# Altium PCB CableNodeRevF Export in PCB ASCII Format.PcbDoc (part 2 of 4)
Units mil, origin at the board's own origin, x right, y up, seen from the top; angles counter-clockwise.
Board outline 3393.33 x 4682.75 mil, 4 copper layers (Top Layer, Internal Plane 1, Internal Plane 2, Bottom Layer); 163 components, 86 nets, 408 pads, 182 vias.
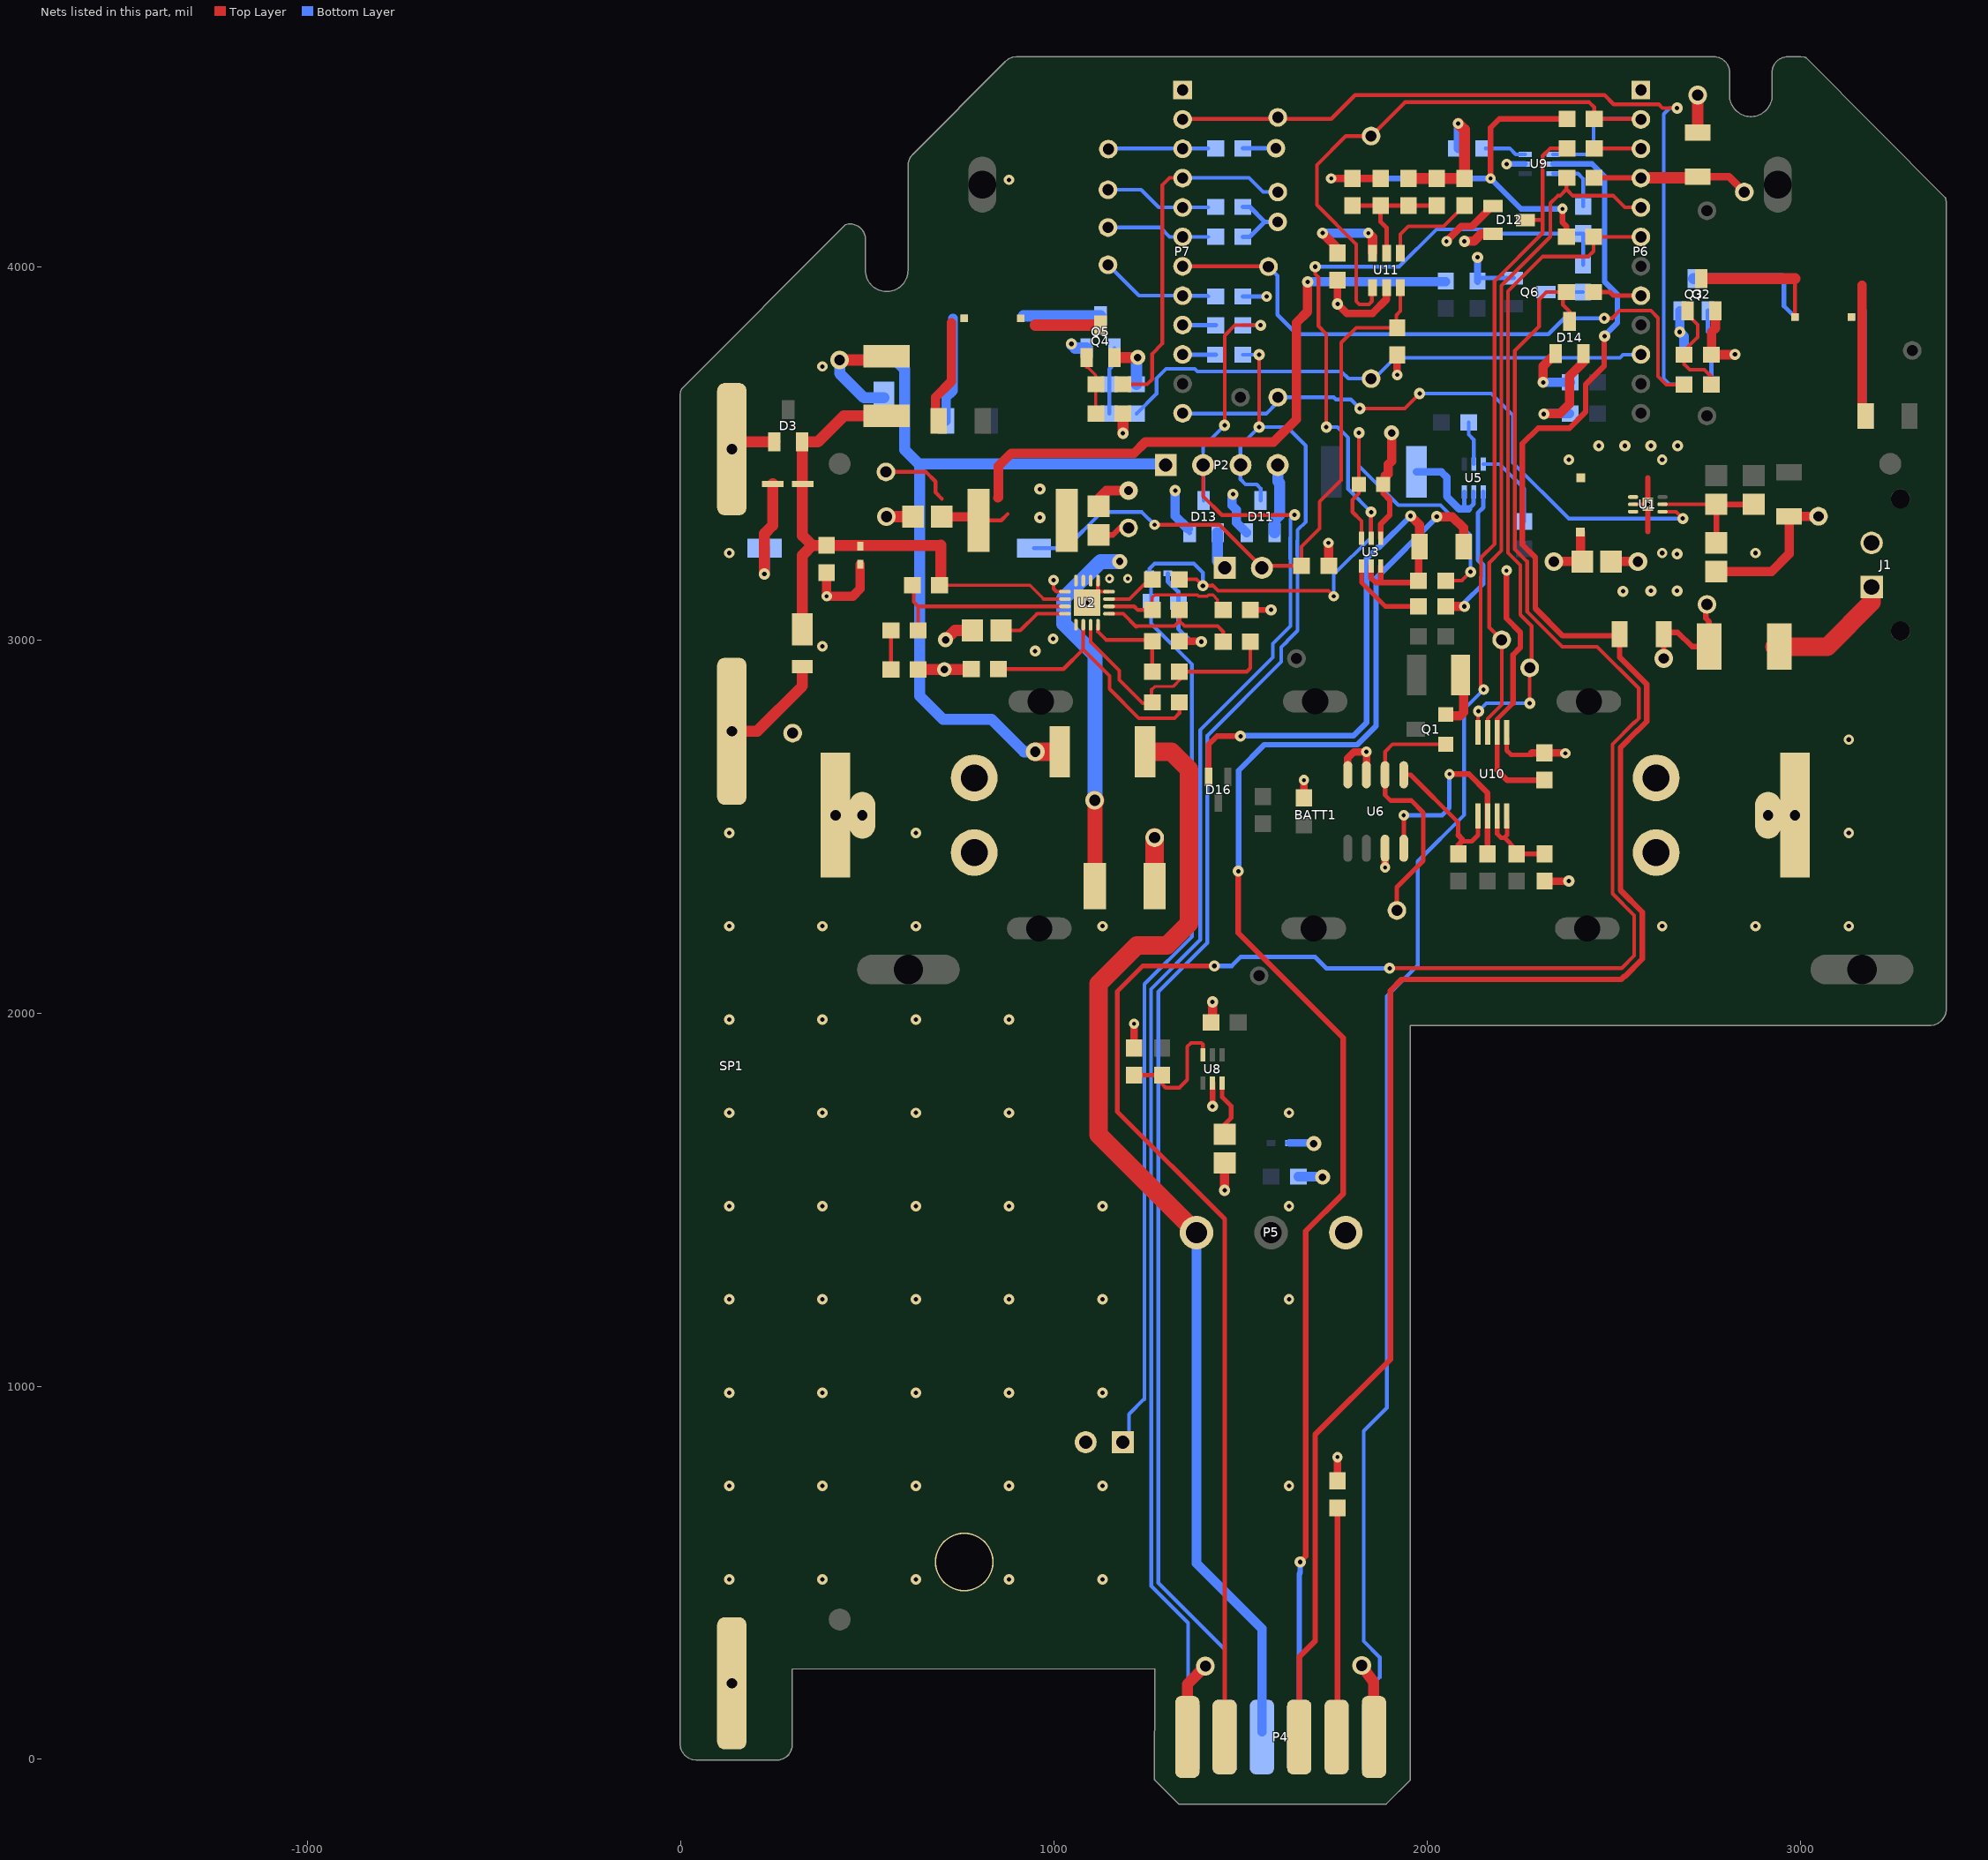
[diagram p4: the nets of this part, all layers, seen from the top]

## Via types
v1: diameter 30, hole 12, Top Layer to Bottom Layer, tented both sides, 65 vias
v2: diameter 28, hole 12, Top Layer to Bottom Layer, tented both sides, 60 vias
v3: diameter 28, hole 11, Top Layer to Bottom Layer, tented both sides, 27 vias
v4: diameter 50, hole 28, Top Layer to Bottom Layer, 10 vias
v5: diameter 40, hole 20, Top Layer to Bottom Layer, tented both sides, 9 vias
v6: diameter 50, hole 30, Top Layer to Bottom Layer, 5 vias
v7: diameter 24, hole 11, Top Layer to Bottom Layer, tented both sides, 2 vias
v8: diameter 50, hole 20, Top Layer to Bottom Layer, tented both sides, 1 vias
v9: diameter 50, hole 30, Top Layer to Bottom Layer, tented both sides, 1 vias
v10: diameter 50, hole 24, Top Layer to Bottom Layer, 1 vias
v11: diameter 28, hole 11, Top Layer to Bottom Layer, 1 vias

## Nets (pads, with @x,y where several pads share a name; then routed paths per layer and width w, separated by ;. In a path a pad name is that pad's centre, name@x,y a point inside that pad or via, vN(x,y) a via of type N, cw(c..) or ccw(c..) an arc to the next point about the centre after c; other vN are vias at no path point) (continued)
GND: BATT1.5 BATT1.6 BATT1.7 BATT1.8 C2.1 C3.1 C4.1 C5.1 C6.1 C8.1 C9.1 C10.1 C11.2 C20.1 C50.1 C51.1 C53.1 C54.1 D2.1 D5.1 D6.2 D8.1 D9.2 D10.1 D11.1 D12.1 D13.1 D14.1 D15.2 J1.2 MH3.1 P1.2 P2.4 P3.1 P4.2 P4.12 P5.3 P6.1 P7.1 pad.0@3048.7,3330.94 Q2.2 Q3.2 Q4.2 Q5.2 Q6.2 R3.2 R7.2 R10.2 R11.2 R12.2 R19.2 R23.2 R24.2 R31.2 R34.2 R37.1 R38.1 R39.2 R44.1 R50.2 R51.2 R52.2 R53.2 R60.2 R65.1 R67.2 SP1.1 SW1.1 TP18.1 U1.2 U1.7 U2.1 U2.5 U2.12 U2.13 U2.17 U5.1 U6.3 U6.7 U6.8 U8.2 U9.2 U10.1 U11.2 | length 6311
  Top Layer w10: v3(998.98,3160.01) 998.98,3137.02 1006.96,3129.04 U2.1@1029.62,3129.04 ; v3(1088.68,3099.51) U2.17@1118.2,3129.04 ; U2.13@1118.2,3158.57 U2.17@1118.2,3129.04 ; U2.12@1147.73,3129.04 U2.17@1118.2,3129.04 ; U1.2@2552.11,3363.12 v3(2591.48,3363.12)
  Top Layer w12: C11.2@1417.34,1971.17 C11.2@1421.17,1975 C11.2@1425,1978.83 ; 1880,3897.6 1891.26,3908.86 ; U10.1@2214,2721.87 2214,2736.59 2213.39,2737.2 2213.39,2703.91 2225,2692.29 2280,2692.29
  Top Layer w15: v1(1425,1750) U8.2@1425,1812.6 ; R7.2@1526.42,3080 v1@1581.57,3080 ; 2591.48,3290.71 v3(2591.48,3363.12) 2591.48,3434.31
  Top Layer w20: R67.2@1215,1906.42 v3(1215,1971.17) ; R12.2@1336.42,2996.61 1393.39,2996.61 v1(1395,2995) ; C10.1@1670,2576.42 v3(1670,2624.14) ; R44.1@1760,746.42 v3(1760,810) ; C51.1@1760,3963.58 v1(1760,3900) 1784.87,3875.13 1854.09,3875.13 1891.26,3912.3 U11.2@1891.26,3943.74 ; U6.8@1787.5,2638.43 1787.5,2683.37 1804.15,2700.01 v3(1837.5,2700.01) U6.7@1837.5,2638.43 ; v3(1887.5,2390) U6.3@1887.5,2441.57 ; v3(1920,3710) C9.1@1920,3763.58 ; v11@2051.42,4068 2091.5,4108.08 2120.53,4108.08 2174.85,4162.4 D12.1@2176.69,4162.4 ; 2280,2695.87 2281.11,2696.97 C53.1@2314,2696.97 2369.53,2696.97 v3(2370.64,2695.87) ; C20.1@2319.72,2353.58 v1@2373.54,2353.58
  Top Layer w25: D5.1@391.19,3180.24 v3(391.19,3116.66) 461.19,3116.66 481.19,3136.66 D6.2@481.19,3202.06 ; C3.1@1119.68,3358.01 1119.68,3378.92 1140.75,3400 v10(1200,3400) ; C11.2@1425,1978.83 v1(1425,2030) ; v1(1457.59,1525) R39.2@1457.59,1598.23 ; R19.2@2050,3089.67 v1(2100,3089.67) ; v1(2311,3690) 2311,3733.35 D14.1@2344.34,3766.69 ; C4.1@2492.93,3210.01 v4(2565.02,3210.01) ; Q2.2@2772.4,3881.69 2772.4,3835 2762.4,3825 2762.4,3764.98 R23.2@2761.42,3764 2824.02,3764 v1(2825,3764.98) ; R3.2@2775,3183.04 2923.04,3183.04 2970,3230 C5.1@2970,3330.94 ; C5.1@2985.69,3330.94 pad.0@3048.7,3330.94
  Top Layer w30: v1(224.19,3176.66) 224.19,3284.19 246.52,3306.53 D15.2@246.52,3417.66 ; v9(551.48,3330.01) C2.1@622.73,3330.01 C2.1@626.48,3330.01 ; R10.2@636.42,2920.64 v5(706.51,2920.64) R11.2@772.1,2920.64 ; v5(710,3000) 735.02,3025.01 C6.1@781.48,3025.01 ; Q4.2@1162.4,3756.69 v5(1224.67,3756.69) ; v1(1185.13,3553.64) R31.2@1185.13,3606 ; P4.12@1357.59,74 1357.59,201.39 v6(1406.19,250) ; v6@1825,250 1857.2,206.79 P4.2@1857.2,74.39 ; R65.1@1950,4236.42 C54.1@2025.87,4236.42 C50.1@2100,4236.42 2100,4367.13 v2(2083.51,4383.62) ; C8.1@2725,4359.06 v6(2725,4459.68)
  Bottom Layer w12: D9.2@1305.61,3178 1305.61,3156.39 1333.42,3128.58 D10.1@1333.42,3102 1333.42,3029.58 1368,2995 v1(1395,2995) ; R53.2@1506.42,3920 v2(1570,3920) ; R52.2@1506.42,4080 1525,4080 1565,4120 ; R51.2@1506.42,4160 1525,4160 1565,4120 ; R50.2@1506.42,4317 v4(1595,4317) ; v4(1600,4120) 1565,4120 ; v2(2083.51,4383.62) 2083.51,4370.51 2083,4370.01 2083.58,4369.43 ; v1@2100,3099.41 2150.59,3150 2150.59,3200 2136.06,3214.53 2136.06,3340 2150.59,3354.53 U5.1@2150.59,3396.06 ; R38.1@2135.24,3961.42 2143.11,3969.29 Q6.2@2231.69,3969.29
  Bottom Layer w15: v2(2212.99,4275) U9.2@2262.6,4275
  Bottom Layer w20: 1600,3425 1605,3420 ; D8.1@1631.32,1651.66 v5@1694.66,1651.66 ; R38.1@2135.24,3961.42 v1@2135.24,4012.4
  Bottom Layer w25: D2.1@1654.94,1561.66 v5@1707.79,1561.66 ; v5@1694.66,1651.66 v5(1696.32,1650) ; R60.2@2083.58,4317 2083.58,4369.43 ; v1(2311,3690) R37.1@2383.58,3690 ; Q3.2@2677.18,3881.69 v1(2677.18,3825) 2688.58,3813.6 R24.2@2688.58,3764
  Bottom Layer w30: v1@224.49,3178.37 SW1.1@224.49,3245.64 ; v1(1047,3793) 1047,3791.39 1056.69,3781.69 Q5.2@1087.6,3781.69 ; R34.2@1221.55,3685 v5@1221.55,3760 ; D13.1@1438.6,3286.71 1438.6,3211.4 P3.1@1450,3200 ; D11.1@1591.4,3286.69 1591.4,3321.4 1605,3335 1605,3420 ; 1600,3425 P2.4@1600,3468.21 P2.4@1600,3471.66
  other v1: 2380,2353.58 950,2970 1582.1,3080.53 2525,3130 2599.69,3131.33 2670,3131.33 2670,3230 962.5,3328 962.5,3404 2460,3519.9 2530.1,3519.9 2600,3519.9 2671.4,3520 2135.24,4025
  other v2: 130.01,482.64 380.01,482.64 630.01,482.64 880.01,482.64 1130.01,482.64 130.01,732.64 380.01,732.64 630.01,732.64 880.01,732.64 1130.01,732.64 1630.01,732.64 130.01,982.64 380.01,982.64 630.01,982.64 880.01,982.64 1130.01,982.64 130.01,1232.64 380.01,1232.64 630.01,1232.64 880.01,1232.64 1130.01,1232.64 1630.01,1232.64 130.01,1482.64 380.01,1482.64 630.01,1482.64 880.01,1482.64 1130.01,1482.64 1630.01,1482.64 130.01,1732.64 380.01,1732.64 630.01,1732.64 880.01,1732.64 1630.01,1732.64 130.01,1982.64 380.01,1982.64 630.01,1982.64 880.01,1982.64 130.01,2232.64 380.01,2232.64 630.01,2232.64 1130.01,2232.64 2630.01,2232.64 2880.01,2232.64 3130.01,2232.64 130.01,2482.64 630.01,2482.64 3130.01,2482.64 3130.01,2732.64 380.01,2982.64 998,3003 130.01,3232.64 2630.01,3232.64 2880.01,3232.64 2380.01,3482.64 2630.01,3482.64 380.01,3732.64 880.01,4232.64
  other v5: 1720,1560
  other v6: 1825,251.66
  other v7: 1149,3164 1198,3164
  other v11: 2052.17,4067.91
GPIO7: P7.9 R27.1 | length 88.6
  Bottom Layer w12: P7.9@1345,3843 R27.1@1433.58,3843
GPIO8: P7.10 R28.1 | length 88.6
  Bottom Layer w12: P7.10@1345,3764 R28.1@1433.58,3764
GPIO15: P6.8 R41.2 | length 111.1
  Top Layer w12: R41.2@2446.42,3931.89 2490,3931.89 2499.21,3922.68 2499.21,3922 P6.8@2553,3922
GPIO19: P6.3 R40.2 | length 106.1
  Top Layer w10: R40.2@2446.9,4317 P6.3@2553,4317
HW_VER1: P7.3 R50.1 TP21.1 | length 268.4
  Bottom Layer w10: TP21.1@1146,4315 1148,4317 R50.1@1413.58,4317
HW_VER2: P7.5 R51.1 TP22.1 | length 288.1
  Bottom Layer w10: TP22.1@1145,4206.03 1233.97,4206.03 1281,4159 R51.1@1413.58,4159
HW_VER3: P7.6 R52.1 TP23.1 | length 278.9
  Bottom Layer w10: TP23.1@1145,4105 1285,4105 1310,4080 1345,4080 R52.1@1413.58,4080
HW_VER4: P7.8 R53.1 TP24.1 | length 303.7
  Bottom Layer w10: TP24.1@1145,4005 1227.76,3922.24 P7.8@1345,3922.24 ; P7.8@1345,3922 1411.58,3922 R53.1@1413.58,3920
I2C_SCL: P6.5 R68.1 TP15.1 U10.3 | length 1821.6
  Top Layer w10: U10.3@2162.2,2733.69 U10.3@2163.96,2735.45 ; U10.3@2162.2,2737.2 U10.3@2162.2,2752.2 2162.2,2788.9 2200,2826.69 TP15.1@2200,3000 2166.5,3033.5 2166.5,3206.5 2199,3239 2199,3949 2330.21,4080.21 2330.21,4170 2350.21,4190 2356.51,4190 2373.58,4207.08 ; R68.1@2373.58,4238 2373.58,4207.08 ; P6.5@2553,4159 2530,4159 2499,4190 2390.66,4190 2373.58,4207.08
I2C_SDA: P6.6 R55.1 TP14.1 U10.4 | length 1761.2
  Top Layer w10: U10.4@2136.61,2752.2 v1@2136.61,2796.31 ; v1(2275,2830) TP14.1@2275,2925 2280,2930 2280,3037.18 2250,3067.18 2250,3200 2217,3233 2217,3934.33 2310,4027.33 2432.33,4027.33 2446.42,4041.42 R55.1@2446.42,4080 P6.6@2573,4080
  Bottom Layer w10: v1(2138,2809) 2159,2830 v1(2275,2830)
LED1: P7.7 R25.1 TP7.1 | length 1700.4
  Top Layer w10: P7.7@1325,4001 1345,4001 TP7.1@1575,4001 ; v1(2475,3861.64) 2495.89,3861.64 2516.26,3882 2599.69,3882 2618.78,3862.92 2618.78,3705.91 2641.18,3683.51 R25.1@2688.58,3683.51
  Bottom Layer w10: TP7.1@1575,4000 1599,3976 1599,3870.99 1651.05,3818.94 2325,3818.94 2367.7,3861.64 v1(2475,3861.64)
LED2: P7.2 R26.1 TP8.1 | length 2178.1
  Top Layer w10: P7.2@1345,4396 1743.41,4396 1807.09,4459.68 2475.32,4459.68 2500,4435 2620.94,4435 2630.94,4425 v1(2670,4425)
  Bottom Layer w10: v1(2670,4425) 2650,4425 2634.06,4409.06 2634.06,3700 2649.06,3685 R26.1@2688.58,3685
LED3: P7.4 R30.1 TP9.1 | length 948.5
  Top Layer w10: R30.1@1185.13,3685 1250,3685 1263.58,3698.58 1263.58,3766.69 1290.39,3793.5 1290.39,4218.39 1310,4238 P7.4@1345,4238
  Bottom Layer w10: P7.4@1345,4238 1523,4238 1561,4200 TP9.1@1600,4200
LED4: P6.10 R33.1 TP10.1 | length 1462.8
  Bottom Layer w10: R33.1@1221.55,3606 1275,3659.45 1275,3700.53 1300.85,3726.38 1377.5,3726.38 1384.41,3719.46 1770,3719.46 1789.46,3700 1858.51,3700 1914.51,3756 2517,3756 2525,3764 P6.10@2573,3764
N_5V_OFF: P7.12 TP13.1 U1.4 | length 1670.4
  Top Layer w10: v1(1820,3620) 1940.11,3620 v1(1980,3659.89) ; U1.4@2630.85,3343.43 2666.95,3343.43 v1(2685.38,3325)
  Bottom Layer w10: P7.12@1345,3606 1569,3606 1600,3637 TP13.1@1600,3650 1750,3650 1756,3644 1796,3644 v1(1820,3620) ; v1(1980,3659.89) 2171.81,3659.89 2230,3601.69 2230,3474.72 2379.72,3325 v1(2685.38,3325)
NBOOT_CNE: D14.3 P4.10 R41.1 | length 5764.8
  Top Layer w10: v1@1899.55,2129.6 v1(1899.55,2120) 2521.38,2120 2555.02,2153.64 2555.02,2261.67 2496.69,2320 2496.69,2720.3 2553.89,2777.49 2555,2777.49 2567.51,2790 2567.51,2869.8 2455.65,2981.66 2362.01,2981.66 2268,3075.67 2268,3210 2235,3243 2235,3775 2300,3840 2300,3911.89 2320,3931.89 R41.1@2373.58,3931.89 2364.11,3922.41 2364.11,3897.59 2381.74,3879.95 D14.3@2381.74,3854.26
  Top Layer w12: v1(1430,2126.06) 1238,2126.06 1170,2058.06 1170,1735.51 1457.59,1447.93 P4.10@1457.59,74
  Bottom Layer w12: v1(1430,2126.06) 1476.11,2126.06 1500,2149.95 1700.05,2149.95 1730,2120 v1(1899.55,2120)
NetC1_1: C1.1 R1.1 R3.1 U1.5 | length 348.9
  Top Layer w10: U1.5@2630.85,3363.12 R1.1@2775,3363.12
  Top Layer w15: R3.1@2775,3259.81 R1.1@2775,3363.12 C1.1@2876.44,3363.12
NetC6_2: C6.2 U2.4 | length 180
  Top Layer w10: C6.2@868.25,3025.01 910,3025.01 954.98,3070 1006.44,3070 ; 1006.45,3069.99 U2.4@1029.62,3069.99
NetC7_2: C7.2 R13.1 U3.6 | length 957.8
  Top Layer w10: v1@1817.52,3562.52 v1(1817.52,3555) R13.1@1817.52,3416.37 1817.52,3392.52 1800,3375 1800,3342.52 1824.41,3318.11 U3.6@1824.41,3272.4 ; C7.2@2050,3158.57 2093.08,3158.57 v1(2116.7,3182.19)
  Bottom Layer w10: v1@1820,3565 1817.52,3562.52 v1(1817.52,3555) 1817.52,3466.58 1923.09,3361.01 2035.89,3361.01 2054.87,3342.03 2054.87,3341.47 2116.06,3280.28 2116.06,3182.83 v1(2116.7,3182.19)
NetC9_2: C9.2 P3.2 R63.2 SW1.2 U11.3 | length 1738.6
  Top Layer w10: v3(1270.02,3308.34) 1443.71,3308.34 1553.58,3198.47 R63.2@1663.84,3198.47 1663.84,3250 1712,3298.16 1712,3370 1770,3428 1770,3796.42 1810,3836.42 C9.2@1920,3836.42 1917.4,3839.02 1917.4,3870 1928.66,3881.26 U11.3@1928.66,3943.74
  Bottom Layer w10: SW1.2@946.54,3245.64 1031.62,3245.64 1128.43,3342.45 1235.91,3342.45 v3(1270.02,3308.34)
NetC20_2: C20.2 R58.2 U10.7 U10.8 | length 242
  Top Layer w12: U10.7@2187.8,2512.8 2187.8,2480 2197.8,2470 2207.19,2470 ; U10.8@2214,2516 2214,2476.81 2207.19,2470 ; C20.2@2319.72,2426.42 R58.2@2240,2426.42 2240,2437.19 2207.19,2470
NetC50_2: C50.2 U11.4 | length 253.6
  Top Layer w10: U11.4@1928.66,4036.26 1928.66,4086.74 1950,4108.08 2044.5,4108.08 C50.2@2100,4163.58
NetC52_1: C52.1 C54.2 R64.2 R65.2 U11.5 | length 359.7
  Top Layer w12: R64.2@1800,4163.58 C52.1@1875.59,4163.58 ; U11.5@1891.26,4036.26 1891.26,4104.33 1875.59,4120 C52.1@1875.59,4163.58 ; C54.2@2025.87,4163.58 R65.2@1950,4163.58 C52.1@1875.59,4163.58
NetD1_1: D1.1 P2.1 R45.2 | length 2042.8
  Top Layer w50: v4(950,2700) R45.2@1015.83,2700
  Bottom Layer w25: D1.1@544.54,3748.98 576.02,3748.98
  Bottom Layer w30: 576.02,3748.98 600,3725 600,3510 640,3470 ; v4@937.22,2700 920,2700 833.23,2786.77 703.23,2786.77 640,2850 640,3470 ; P2.1@1300,3471.66 641.66,3471.66 640,3470
NetD1_2: D1.2 F2.2 | length 311
  Top Layer w25: F2.2@541.48,3750 F2.2@551.48,3760
  Top Layer w30: v4(426.19,3750) F2.2@541.48,3750
  Bottom Layer w30: v4(426.19,3750) 426.19,3713.81 491.42,3648.58 D1.2@544.54,3648.58
NetD3_1: D3.1 SP1.3 | length 133.3
  Top Layer w25: SP1.3@137.01,3510.89 138.99,3512.87 SP1.3@138.99,3530.58
  Top Layer w30: SP1.3@138.99,3530.58 D3.1@251.79,3530.58
NetD4_1: D4.1 SP1.2 | length 290.6
  Top Layer w30: SP1.2@137.01,2754.99 204.52,2754.99 326.19,2876.66 D4.1@326.19,2927.69
NetF3_2: F3.2 U2.14 | length 997.5
  Top Layer w40: F3.2@1110,2340 v6@1110,2569.48
  Top Layer w50: v6(1109.48,2570) v6@1110,2569.48
  Bottom Layer w40: v6@1110,2570 1110,2959.48 1026.06,3043.42 1026.06,3111.07 1125,3210.01 v5(1176.48,3210.01)
NetL1_B: L1.B U1.1
NetL2_B: L2.B U2.16
NetLED1_A: LED1.A R21.2 | length 340.5
  Top Layer w25: R21.2@3165.19,3609.47 3165.19,3950
NetLED1_K: LED1.K Q2.3 | length 354
  Top Layer w10: LED1.K@2985.69,3865.01 2985.69,3968.31
  Top Layer w30: Q2.3@2735,3968.31 2985.69,3968.31
NetLED2_A: LED2.A R22.2 | length 272.2
  Bottom Layer w25: R22.2@3165.19,3609.47 3165.19,3881.69
NetLED2_K: LED2.K Q3.3 | length 353.5
  Bottom Layer w12: 2950,3968.31 2956.22,3962.09 2956.22,3894.49 LED2.K@2985.69,3865.01
  Bottom Layer w30: Q3.3@2714.58,3968.31 2950,3968.31
NetLED3_A: LED3.A R29.2 | length 280.8
  Top Layer w25: R29.2@682.95,3586.64 682.95,3650 725,3692.05 725,3850
NetLED3_K: LED3.K Q4.3 | length 174.7
  Top Layer w30: 950.31,3843.31 Q4.3@1125,3843.31
NetLED4_A: LED4.A R32.2 | length 282.7
  Bottom Layer w25: R32.2@710.94,3586.64 710.94,3648.58 729.61,3667.25 729.61,3861.64
NetLED4_K: LED4.K Q5.3 | length 206.6
  Bottom Layer w30: LED4.K@918.37,3868.31 Q5.3@1125,3868.31
NetQ1_G: Q1.G TP6.1 U6.6 | length 700.3
  Top Layer w10: U6.6@1887.5,2638.43 1887.5,2700.01 1907.49,2720 Q1.G@2050,2720
  Top Layer w12: U6.6@1887.5,2638.43 1887.5,2583.88 1901.9,2569.48 1957.69,2569.48 1990,2537.17 1990,2408.1 1919.16,2337.26 TP6.1@1919.16,2275
NetQ1_S: Q1.S R17.2 | length 135.8
  Top Layer w25: Q1.S@2059.53,2796.69 2087.99,2796.69 2097.64,2806.34 R17.2@2097.64,2900
NetQ2_1: Q2.1 R23.1 R25.2 | length 282.1
  Top Layer w10: Q2.1@2687.6,3881.69 2725,3844.29 2725,3810.96 2688.58,3774.54 R23.1@2688.58,3764 2688.58,3738.89 2703.59,3723.88 2743.2,3723.88 2761.42,3705.66 R25.2@2761.42,3683.51
NetQ3_1: Q3.1 R24.1 R26.2 | length 200.6
  Bottom Layer w12: Q3.1@2751.98,3881.69 2751.98,3826.02 2761.42,3816.58 R24.1@2761.42,3764 R26.2@2761.42,3685
NetQ4_1: Q4.1 R30.2 R31.1 | length 162.9
  Top Layer w8: Q4.1@1087.6,3756.69 1087.6,3730 1090.92,3730 1112.3,3708.62 R30.2@1112.3,3685 R31.1@1112.3,3606
NetQ5_1: Q5.1 R33.2 R34.1 | length 181.4
  Bottom Layer w10: R33.2@1148.72,3606 R34.1@1148.72,3685 1148.72,3725.53 1162.4,3739.22 Q5.1@1162.4,3781.69
NetQ6_3: Q6.3 R47.1 | length 99.6
  Bottom Layer w10: Q6.3@2318.31,3931.89 R47.1@2417.93,3931.89
NetR2_1: R2.1 R4.2 U2.3 | length 519.9
  Top Layer w10: R2.1@624.1,3146.64 624.1,3101.99 636.42,3089.67 ; R4.2@636.42,3025 636.42,3089.67 ; U2.3@1029.62,3089.67 636.42,3089.67
NetR4_1: R4.1 R10.1 | length 104.4
  Top Layer w10: R10.1@563.58,2920.64 R4.1@563.58,3025
NetR5_1: R5.1 R6.2 U2.9 | length 394.8
  Top Layer w10: U2.9@1147.73,3069.99 1185.86,3069.99 1220.63,3035.22 1222.14,3036.73 1322.83,3036.73 1336.42,3050.31 ; R6.2@1336.42,3080 1336.42,3050.31 ; R5.1@1453.58,2995 1453.58,3021.78 1438.64,3036.73 1350,3036.73 1336.42,3050.31
NetR5_2: R5.2 R8.1 R9.2 U2.7 | length 691.2
  Top Layer w8: 1261.78,2866.78 1270,2875 1319.48,2875 R9.2@1339.48,2895
  Top Layer w10: U2.7@1098.52,3040.46 1098.52,2994.34 1175,2917.86 1175,2893 1238,2830 1261.19,2830 R8.1@1263.58,2832.39 ; 1261.78,2866.78 1261.78,2851.81 R8.1@1263.58,2850 ; R9.2@1336.42,2914.74 R9.2@1339.48,2914.74 ; R9.2@1339.48,2895 R9.2@1339.48,2914.74 ; R5.2@1511.42,2995 R5.2@1511.42,3000 ; R5.2@1526.42,2995 1526.42,2924.1 1517.05,2914.74 R9.2@1339.48,2914.74
NetR6_1: R6.1 R7.1 U2.10 | length 366.8
  Top Layer w8: R6.1@1263.58,3080 1263.05,3080.53 1263.05,3113.04 1270.02,3120 1384.81,3120 1387.81,3117 1411.01,3117 1414.01,3120 1426.26,3120 1438.58,3107.67 R7.1@1438.58,3080